# KiCad board 2x2RemotePanel.kicad_pcb (continued)
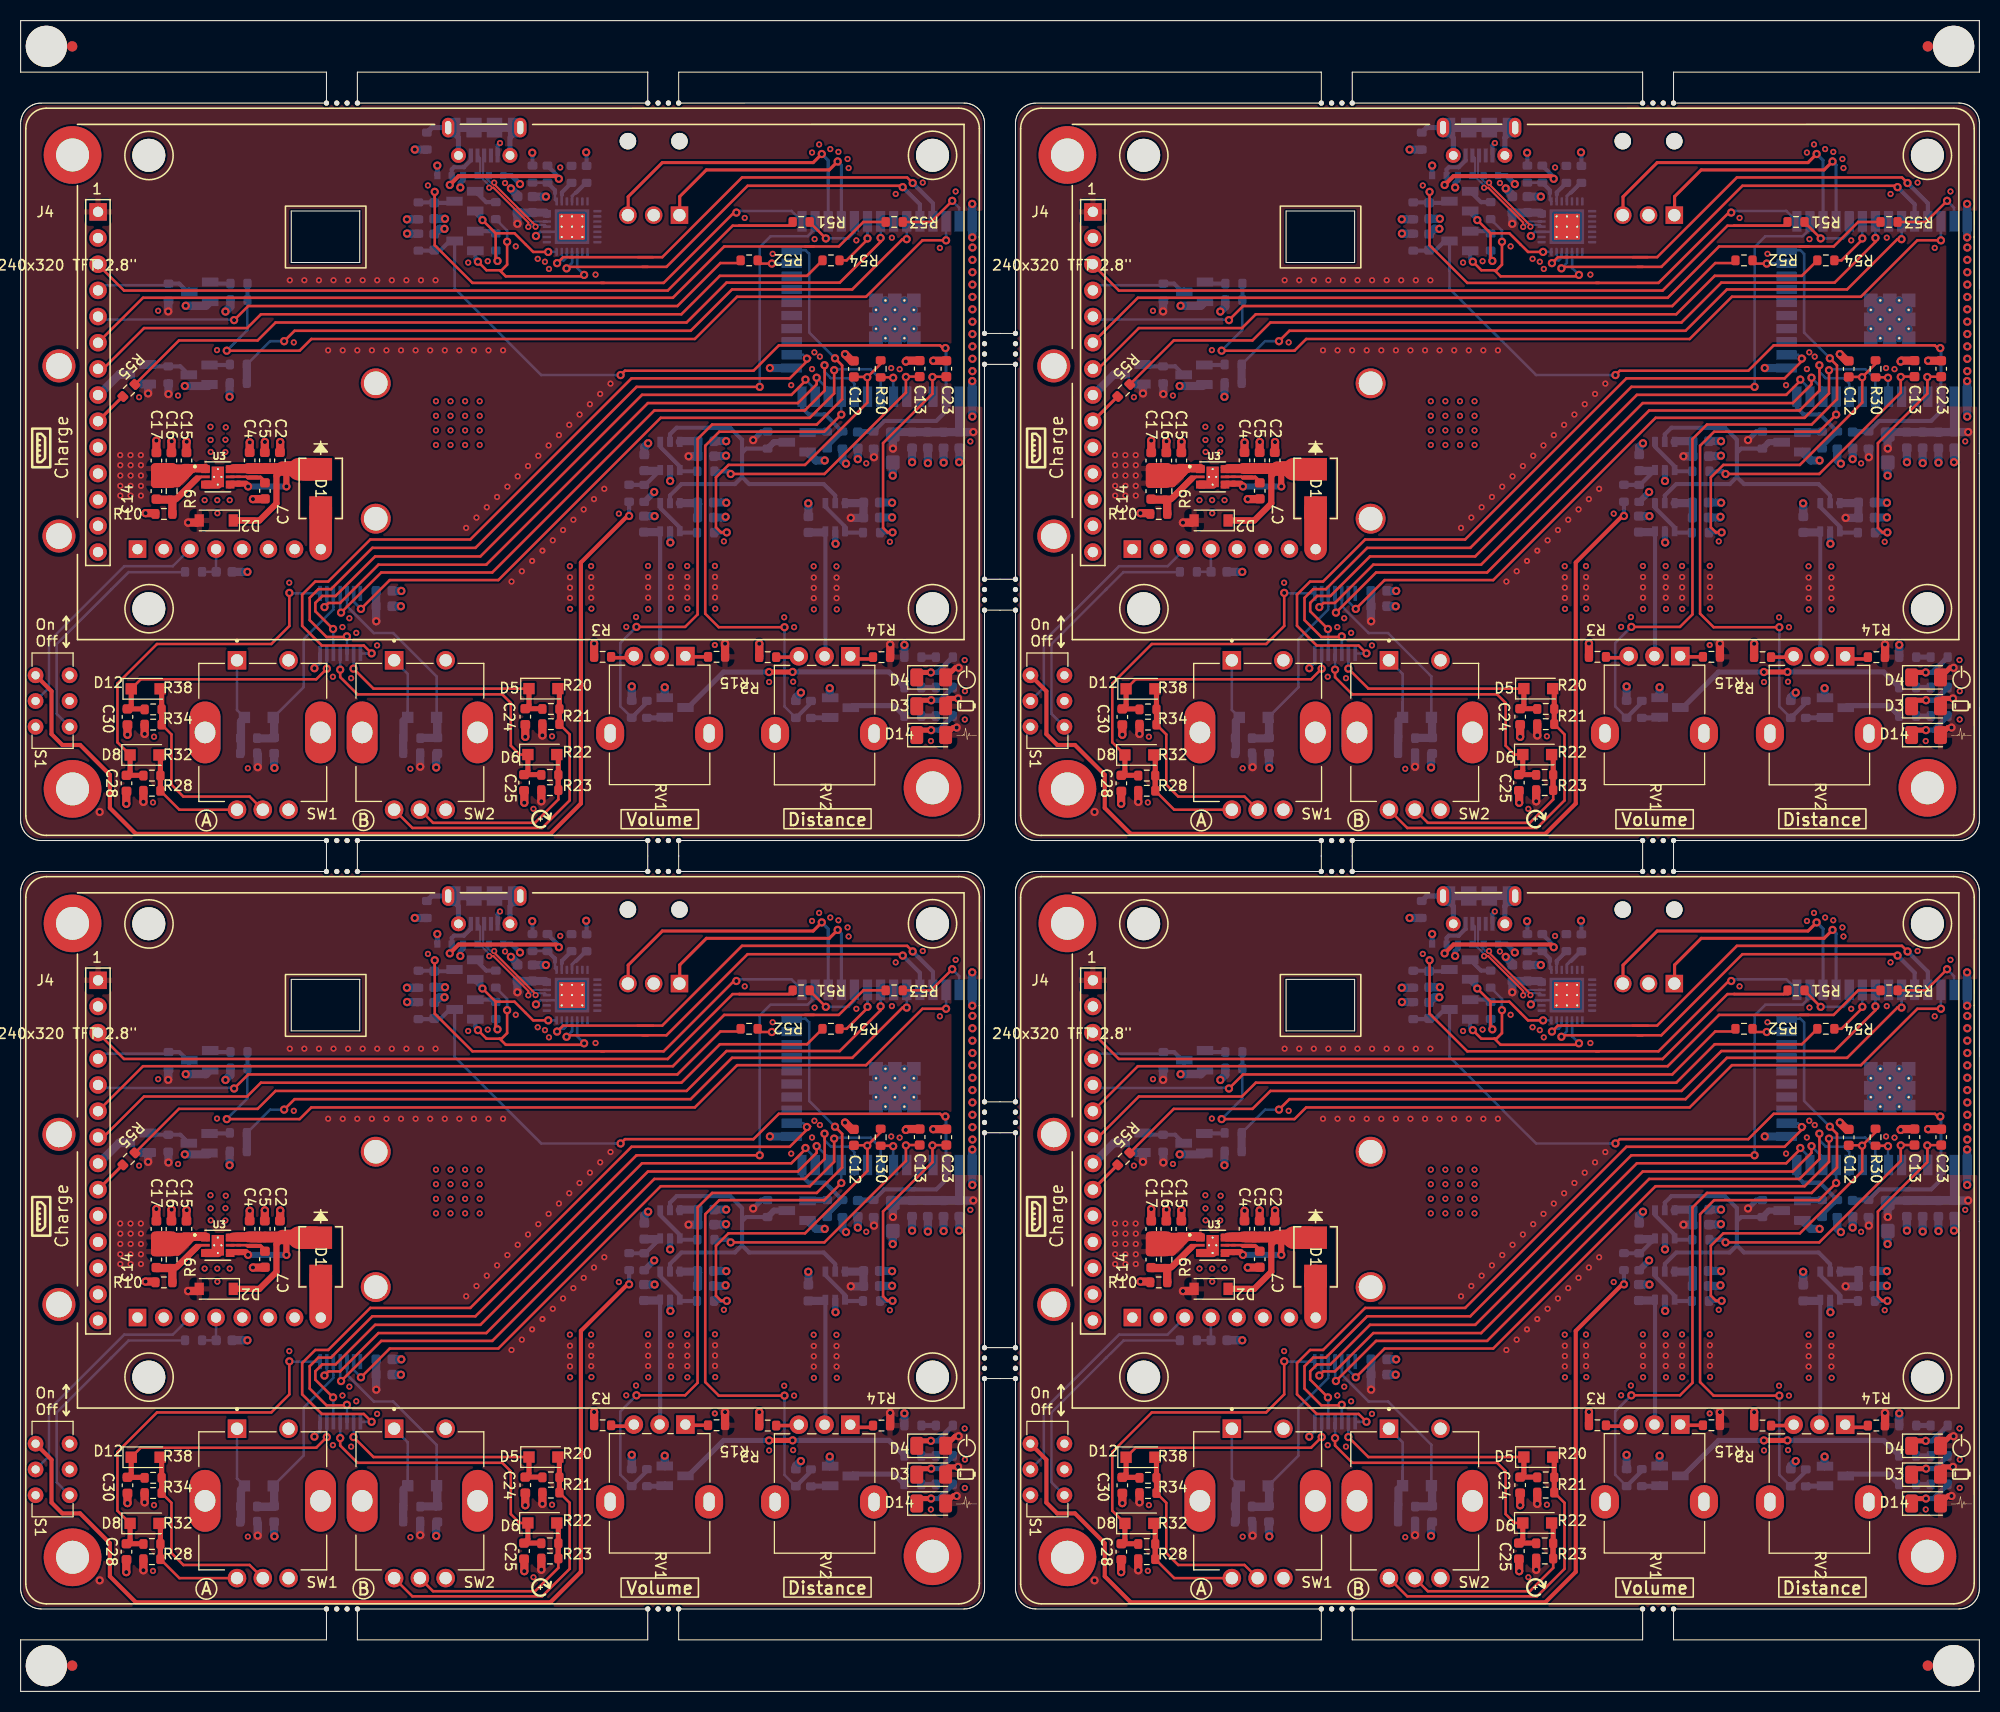
[diagram p0: board, top side]
## Routing (per net, layer and track width the routed paths; a pad name or vN(x,y) marks a point on that pad's centre or on a via; arc(x,y) is an arc through that point) (continued)
Board_3-+5V: length 4
  Top w0.25: 125.61,36.29 J1.8
  Top w2.2: D1#4.2 125.61,36.29
Board_3-/D+: length 10.5
  Top w0.2: v1(142.44,71.85) 142.44,71.7 146.45,67.69 v1(146.45,67.58)
  Bottom w0.2: J3.3 141.37,74.39 141.37,72.57 142.09,71.85 v1(142.44,71.85) ; v1(146.45,67.58) 146.63,67.76 147.36,67.76 U6#4.4
Board_3-/D-: length 11.4
  Top w0.2: v1(145.75,67.56) 145.75,67.98 142.37,71.36 v1(141.96,71.36)
  Bottom w0.2: U6#4.5 146.27,68.08 v1(145.75,67.56) ; D11#2.2 141,72.53 141.96,71.56 v1(141.96,71.36) ; J3.2 141.08,74.23 141.08,72.55 141.06,72.53
Board_3-ADC0: length 33.1
  Top w0.25: R30.1 179.93,54.27 v2(178.63,52.97) 178.6,53 ; 178.6,53 178.64,52.96 178.64,50.51 172.59,44.46 165.17,44.46 163.95,43.24 163.95,38.41 164.45,37.91 v2(165,37.91) 165.19,37.91 ; 178.6,53 C12#3.2
  Bottom w0.25: 164.98,37.89 v2(165,37.91) ; v2(178.63,52.97) 178.63,51.11 U7#4.9
  Bottom w0.4: R6#3.2 164.98,37.89
Board_3-ADC1: length 26.9
  Top w0.25: v2(182.38,52.99) 182.38,51.48 174.47,43.58 v2(165.39,43.58) ; v2(182.38,52.99) 182.37,53.01 ; v2(182.38,52.99) 182.42,53.03 C13#2.2
  Bottom w0.25: 165.34,43.53 v2(165.39,43.58) 165.39,43.6 ; U7#4.6 182.38,51.17 v2(182.38,52.99)
  Bottom w0.4: v2(165.39,43.58) 165.13,43.84 R7.2
Board_3-ADC2: length 22.2
  Top w0.25: v2(181.08,37.91) 180.6,37.91 180.16,38.35 180.16,46.58 184.95,51.37 v2(184.95,52.99) 184.98,53.02 C23.2
  Bottom w0.25: v2(184.95,52.99) 185,52.94 U7#4.4 ; 181.06,37.89 v2(181.08,37.91)
  Bottom w0.4: R16.2 181.06,37.89
Board_3-DTR: length 13.7
  Top w0.25: 142.58,66.94 144.41,66.94 146.22,65.13 v2(147.68,65.13) ; 142.58,66.94 142.58,64.43 v2(142.76,64.25) ; 142.58,66.94 v2(141.3,68.22)
  Bottom w0.25: v2(147.68,65.13) U6#4.28 ; 142.74,65.13 R45.1 ; Q5#2.2 140.61,68.91
  Bottom w0.4: 140.61,68.91 v2(141.3,68.22) ; v2(142.76,64.25) 142.6,64.41 R45.1
Board_3-EN_: length 79.9
  Top w0.25: v2(154.7,53.18) 155.12,53.6 167.59,53.6 170.05,56.06 185.69,56.06 186.18,55.57
  Top w0.3: v2(186.21,55.8) 186.18,55.77 186.18,55.57
  Bottom w0.25: 136.56,65.25 C35#2.2 ; v2(154.7,53.18) 147,53.18 138.61,61.57 Q6.3 138.13,66.19
  Bottom w0.3: v2(186.21,55.8) 186.27,55.74 U7#4.3 ; Q6.3 138.61,63.35
  Bottom w0.4: U7#4.3 186.27,49.67 185.33,48.73 182.88,48.73 ; C35#2.2 137.26,65.31 138.13,66.19 ; R48#2.2 136.56,65.25 ; 183.23,48.73 180.29,48.73 R26#2.2
  Bottom w0.5: 179.43,47.69 177.94,47.69
Board_3-Enc1A: length 72.7
  Top w0.25: v2(130.55,26.17) 129.79,26.93 125.72,26.93 123.81,28.84 123.81,31.87 125.08,33.14 126.34,33.14 130.42,37.22 140.12,37.22 155.76,52.86 171.11,52.86 173.08,54.83 172.83,54.83 v2(172.78,54.77)
  Bottom w0.25: U5#3.1 130.54,26.15 v2(130.55,26.17) ; v2(172.78,54.77) 172.41,55.14 U7#4.16
Board_3-Enc1A_: length 23.1
  Top w0.25: D5#3.1 130.73,22.75 v2(128.8,24.68)
  Top w0.5: R20#2.1 147.09,20.8 C24#4.1 145.82,21.16 D5#3.1
  Bottom w0.25: v2(128.8,24.68) 128.8,24.69 U5#3.2
Board_3-Enc1B: length 80.7
  Top w0.25: v2(128.15,27.82) 128.09,27.76 126.18,27.76 124.54,29.39 124.54,31.56 125.38,32.4 126.61,32.4 130.62,36.41 140.62,36.41 156.25,52.03 v2(168.2,52.03)
  Bottom w0.25: U7#4.26 173.57,67.37 172.85,66.64 169.24,66.64 168.2,65.6 v2(168.2,52.03) ; U5#3.3 128.16,27.8 v2(128.15,27.82)
Board_3-Enc1B_: length 29.8
  Top w0.25: D6#4.1 144.91,16.35 144.05,17.21 144.05,21.36 143.22,22.19 129.18,22.19 127.5,23.86 v2(127.5,24.59)
  Top w0.5: D6#4.1 145.71,14.77 C25#4.1 146.99,14.4 R22#4.1
  Bottom w0.25: v2(127.5,24.59) U5#3.4
Board_3-Enc2A: length 61.1
  Top w0.25: v2(173.72,52.92) 173.72,52.27 171.9,50.46 157.35,50.46 141.67,34.78 131.21,34.78 127.49,31.06 126.38,31.06 v2(125.98,30.65)
  Bottom w0.25: v2(125.98,30.65) 126.21,30.88 U5#3.9 ; U7#4.12 174.84,51.8 v2(173.72,52.92)
Board_3-Enc2A_: length 36.4
  Top w0.25: v2(122.57,32.04) 122.57,28.83 120.82,27.08 109.73,27.08 105.89,23.24 105.89,17.53 D8#4.1 ; 108.32,14.28 108.35,14.31
  Top w0.5: D8#4.1 107.12,14.68 C28#3.1 108.39,14.33 R28#4.1
  Bottom w0.25: v2(122.57,32.04) 122.61,32 U5#3.8
Board_3-Enc2B: length 64.3
  Top w0.25: v2(172.63,52.74) 172.63,52.62 171.27,51.26 156.78,51.26 141.1,35.58 130.89,35.58 127.05,31.74 125.76,31.74 125.09,31.07 125.09,30.25 v2(126.81,28.53)
  Bottom w0.25: v2(126.81,28.53) 126.84,28.5 U5#3.5 ; U7#4.13 173.57,51.8 v2(172.63,52.74)
Board_3-Enc2B_: length 26.9
  Top w0.25: v2(126.21,24.68) 125.18,23.65 108.16,23.65 D12#4.1
  Top w0.35: C30.1 106.89,20.75 108.47,20.75
  Top w0.5: C30.1 107.23,21.14 D12#4.1 ; C30.1 106.64,20.78 ; C30.1 108.48,20.78 R34.1
  Bottom w0.25: U5#3.6 v2(126.21,24.68)
Board_3-ESP32_RXD0: length 46.3
  Top w0.25: 156.38,64.62 158.74,64.62 166.48,72.36 182.5,72.36 v2(183.04,71.81) ; v2(148.54,64.04) 149.12,64.62 150.1,64.62 ; 157.84,64.62 149.71,64.62
  Bottom w0.25: v2(148.54,64.04) 148.82,64.31 149.2,64.31 149.49,64.61 U6#4.26
  Bottom w0.4: v2(183.04,71.81) 185,69.85 U7#4.35
Board_3-ESP32_TXD0: length 42.3
  Top w0.25: v2(182.07,71.41) 181.94,71.55 167.02,71.55 159.15,63.68 156.84,63.68 ; v2(149.46,63.53) 149.61,63.68 157.32,63.68
  Bottom w0.25: U6#4.25 149.99,64.06 v2(149.46,63.53)
  Bottom w0.4: U7#4.34 183.73,69.75 v2(182.07,71.41)
Board_3-GND: length 128.5
  Top w0.4: 114.21,42.67 114.21,42.44
  Top w0.8: C15.1 112.59,46.69 v2(112.61,46.71) ; v2(106.75,11.58) 106.75,12.76 C28#3.2 ; 168.16,25.73 v2(168.16,27.1) ; v2(111.15,46.76) 111.13,46.74 C16#2.1 ; 109.57,39.78 v2(108.62,39.78) ; C23.1 v2(185.03,54.57) ; 120.17,41.14 v2(119.04,41.14) ; 145.46,19.27 v2(145.46,18.07) ; v2(182.37,54.49) 182.46,54.58 C13#2.1 ; C17#2.1 v2(109.67,46.82) ; 152.13,25.75 v2(152.13,27.12) ; 145.36,12.77 v2(145.36,11.67) ; C30.2 v2(106.87,18.28) ; 121.68,45.64 v2(121.68,46.68) ; C12#3.1 177.13,54.55 v2(176.47,55.2) ; 115.67,42.55 114.41,42.55 ; C4.1 118.72,46.64 ; C5#3.1 120.19,46.68
  Bottom w0.25: U6#4.29 149.49,67.08 U6#4.3 146.9,67.08 v2(146.5,66.67) ; C6#3.1 157.36,45.45 ; R5#4.2 157.01,40.87 ; 136.62,68.33 136.53,68.33 ; 114.88,52.2 114.83,52.15
  Bottom w0.3: 114.93,52.15 114.88,52.2 ; v2(125,24.73) 125.55,25.27 U5#3.7 ; 116.8,52.2 116.75,52.15
  Bottom w0.4: v2(146.13,74.76) 146.16,74.73 R37#3.2 ; J3.5 142.77,75.46 v1(143,75.69) ; v2(151.36,74.8) 151.4,74.76 R41.2
  Bottom w0.5: D10#4.1 144.13,72.53 v2(144.94,71.71) ; D9#3.1 v2(136.92,73.51) ; D11#2.1 139.42,72.09 139.15,71.82 v2(139.15,71.38)
  Bottom w0.6: 175.53,38.06 175.53,36.82 ; 159.51,44.13 v2(159.51,42.9) ; 157.01,40.87 v2(157.97,41.83) ; 159.51,38.18 159.51,36.95
  Bottom w0.8: 188.82,50.89 v2(188.82,52.59) ; R27#2.1 v2(134.74,75.06) ; U7#4.39_12 U7#4.39_14 U7#4.39_13 182.23,57.67 ; C3#3.1 v2(158,39.49) ; 121.09,16.37 121.09,15.08 v2(121.13,15.05) ; C6#3.1 157,46.19 v2(157.37,46.56) ; 180.4,57.67 U7#4.39_7 ; 180.4,57.67 U7#4.39_8 ; 180.4,57.67 U7#4.39_15 182.23,57.67 ; v2(174.5,44.89) 173.66,44.89 Q2.2 172.94,45.61 ; C31#3.1 v2(147.46,70.5) ; U7#4.39_10 U7#4.39_20 ; v2(188.82,49.15) 188.82,51.08 ; v2(136.82,15.09) 136.82,16.4 136.86,16.44 ; v2(164.93,45.35) 164.9,45.32 163.71,45.32 ; v2(137.62,67.37) 137.13,67.37 C35#2.1 ; v2(133.99,66.91) 134,66.9 R48#2.1 ; Q4#3.2 114.49,59.9 v2(112.52,59.9) ; 159.51,36.95 v2(159.53,36.93) ; R13#3.2 v2(182.23,26.99) ; R47.2 v2(133.98,68.29) ; v2(172.19,22.36) 171.72,21.89 171.72,21.84 ; 114.7,52.12 v2(112.43,52.12) ; C9#3.2 164.93,40.81 v2(164.95,40.79) ; 174.99,21.84 v2(174.99,22.79) ; C29#4.1 144.7,70.65 v2(144.06,71.29) ; C38#2.2 v2(137.67,68.34) ; U7#4.39_11 183.11,59.55 182.91,59.55 182.87,59.5 U7#4.39_21 ; 179.78,39.35 181.02,39.35 v2(181.04,39.37) ; 172.92,39.4 172.92,40.71 v2(172.91,40.73) ; C34#2.1 186.03,44.69 ; 182.23,57.67 U7#4.39_1 ; 170.61,53.86 169.24,53.86 ; U7#4.39_5 U7#4.39_18 U7#4.39_19 U7#4.39_17 ; C8#4.2 164.82,39.35 v2(164.89,39.42) ; C36#4.1 184.5,44.64 ; 188.82,68.24 v2(188.82,66.54) ; U7#4.39_9 180.4,59.5 U7#4.39_16 182.23,59.5 U7#4.39_3 ; 179.78,40.81 181.02,40.81 v2(181.04,40.79) ; v2(116.77,51.07) 116.77,52.37 ; v2(155.79,22.95) 155.78,22.95 R12#4.2 ; C33#2.1 187.56,44.73 ; v2(116.37,59.34) 116.86,59.83 R42#2.2 ; U7#4.38 v2(188.81,69.79) ; 175.53,36.82 v2(175.55,36.8) ; v2(176.57,44.58) 176.22,44.93 176.22,46 ; 181.1,44.78 v2(181.1,43.42) ; C1#4.2 v2(118.5,34.08) ; 132.5,30.74 v2(133.39,30.74) ; Q1.2 v2(158.99,22.88) ; 163.71,46.78 164.92,46.78 v2(164.94,46.76) ; C26#3.1 v2(177.71,45.02) ; C22#2.2 v2(133.43,32.23) ; C37#2.1 182.97,44.72
  vias: v1(107.99,51.03) v1(109.34,11.7) v1(109.44,18.08) v1(109.84,59.42) v1(111.77,51.19) v1(114.35,41.04) v1(114.92,48.16) v1(114.93,46.88) v1(114.94,45.72) v1(115.55,55.6) v1(115.58,41.04) v1(115.59,39.77) v1(116.4,48.11) v1(116.37,46.9) v1(116.36,45.71) v1(116.78,41.04) v1(118.54,15.02) v1(122.56,33.03) v1(123,56.35) v1(126.79,23.9) v1(127.72,28.72) v1(128.39,29.58) v1(128.56,23.76) v1(129.06,28.16) v1(131.08,26.94) v1(134.31,14.97) v1(136.01,71.58) v1(136.79,50.64) v1(136.79,49.22) v1(136.79,47.81) v1(136.79,46.39) v1(138.21,50.64) v1(138.21,49.22) v1(138.21,47.81) v1(138.21,46.39) v1(139.62,50.64) v1(139.62,49.22) v1(139.62,47.81) v1(139.62,46.39) v1(139.92,64.09) v1(141.04,50.64) v1(141.04,49.22) v1(141.04,47.81) v1(141.04,46.39) v1(141.82,64.23) v1(143.49,71.81) v1(144.53,65.67) v1(146.25,11.08) v1(146.66,64.46) v1(147.36,64.18) v1(147.75,63.48) v1(148.05,18.12) v1(148.85,73.32) v1(149.78,34.63) v1(149.8,30.49) v1(151.84,34.64) v1(151.87,30.51) v1(152.27,62.93) v1(154.53,39.72) v1(155.25,28.74) v1(156.2,29.69) v1(157.36,34.65) v1(157.38,30.49) v1(159.57,34.64) v1(159.6,30.49) v1(161.16,34.65) v1(161.18,30.49) v1(163.85,34.66) v1(163.88,30.51) v1(164.72,37.04) v1(166.74,68.43) v1(169.11,23.39) v1(169.45,64.94) v1(170.57,29.67) v1(171.25,52.2) v1(171.44,23.42) v1(171.53,28.71) v1(173.28,74.77) v1(173.27,53.76) v1(173.43,34.62) v1(173.52,66.37) v1(173.5,55.38) v1(173.45,30.44) v1(173.96,75.56) v1(174.03,54.97) v1(175.04,75.11) v1(175.64,34.61) v1(175.67,30.44) v1(175.83,74.84) v1(176.72,74.15) v1(176.82,73.27) v1(177.57,66.25) v1(178.53,44.61) v1(180.82,37) v1(181.02,66.51) v1(180.95,53.86) v1(181.39,70.75) v1(181.77,53.75) v1(184.01,71.86) v1(184.8,17.66) v1(185.67,65.52) v1(187.2,71) v1(188.08,25.52) v1(188.1,22.5) v1(188.09,19.75) v1(188.63,46.74) v2(118.73,46.65) v2(120.2,46.69) v2(169.19,53.86) v2(182.98,44.72) v2(184.51,44.63) v2(186.04,44.68) v2(187.54,44.72) v2(188.83,65.56) v2(188.83,64.36) v2(188.83,63.16) v2(188.83,61.96) v2(188.83,60.76) v2(188.83,59.56) v2(188.83,58.36) v2(188.83,57.16) v2(188.83,55.96) v2(188.83,54.76) v2(188.83,53.56) v3(163.84,26.98)
Board_3-IO0: length 51.2
  Top w0.25: 152.81,62.12 158.88,62.12 165.7,68.95 v2(165.93,68.95) ; v2(136.67,70.96) 136.67,65.78 140.33,62.12 153.11,62.12
  Bottom w0.25: v2(165.93,68.95) 166.09,69.1 171.29,69.1 U7#4.25 172.3,68.72 ; 136.57,69.94 C38#2.1 136.62,70.91 v2(136.67,70.96) ; 138.43,69.89 Q5#2.3
  Bottom w0.4: R47.1 136.57,69.94 ; C38#2.1 138.43,69.89
Board_3-LB: length 52.2
  Top w0.25: v2(170.6,28.71) 164.22,28.71 162.91,30.02 162.91,46.31 164.28,47.68 174.45,47.68 v2(176.11,49.34)
  Bottom w0.25: 171.71,20.21 172.02,20.21 ; U7#4.11 v2(176.11,49.34) 176.08,49.34 ; R29#4.1 170.6,21.01 v2(170.6,28.71) ; 173.17,21.36 R31.1
  Bottom w0.4: 172.02,20.21 173.17,21.36
Board_3-MCU_HB: length 69.2
  Top w0.25: v2(175.5,54.8) 176.19,54.11 176.19,50.84 173.73,48.38 163.58,48.38 162.17,46.97 162.17,29.95 160.96,28.74 v2(156.24,28.74)
  Bottom w0.25: v2(175.5,54.8) 173,57.3 173,64.94 172.64,65.3 U7#4.24 170.99,65.62 ; R11#4.1 157.26,21.4 ; v2(156.24,28.74) 154.68,27.18 154.68,21.02 R12#4.1
  Bottom w0.4: 157.26,21.4 R12#4.1 155.96,19.74
Board_3-Net-(C1-Pad1): length 3.6
  Bottom w0.25: R1#2.1 C1#4.1 115.46,34.09 J1.4
Board_3-Net-(C3-Pad2): length 14.1
  Bottom w0.25: 158.54,25.45 158.49,25.4 ; U1#2.3 158.44,38.02 ; U1#2.3 158.56,38 ; U1#2.3 158.54,38.01 ; U1#2.3 158.52,37.99 ; U1#2.3 158.48,37.95
  Bottom w0.4: U1#2.3 158.54,25.45
  Bottom w0.8: 157.13,37.94 158.33,37.94
Board_3-Net-(C6-Pad2): length 5.9
  Bottom w0.25: 157.18,42.7 R5#4.1 ; 158.54,44.26 U2#4.3 ; 158.24,43.65 157.88,43.3 ; 155.54,42.52 R4#3.2
  Bottom w0.4: U2#4.3 157.1,42.52 R5#4.1 155.54,42.52
  Bottom w0.8: 157.06,43.89 158.26,43.89
Board_3-Net-(C7-Pad2): length 6.8
  Top w0.25: 119.98,43.1 119.87,43.21 ; 119.75,43.17 118.67,43.17 ; 118.43,43.28 118.54,43.17 119.62,43.17 ; 117.81,43.31 116.89,43.31 ; 119.88,43.2 119.77,43.31 ; 119.76,43.31 118.68,43.31 ; 120.02,43.06 119.91,43.17 ; 119.45,43.31 118.37,43.31 ; 118.4,43.31 117.48,43.31
Board_3-Net-(C14-Pad1): length 8.9
  Top w0.23: 113.63,42.9 113.97,43.25 ; 113.53,43.32 114.01,43.32
  Top w0.6: 111.6,41.14 113.42,42.95 ; 111.77,41.31 113.59,43.13 ; 111.13,41.14 111.16,41.14
  Top w0.8: R10#3.2 111.22,39.7 111.22,41.05 ; 109.67,41.09 111.08,41.09
Board_3-Net-(C18-Pad2): length 14.3
  Bottom w0.25: 174.46,37.9 U4#4.3 ; 174.49,25.67 174.49,25.38 174.57,25.47
  Bottom w0.4: U4#4.3 174.57,25.47
  Bottom w0.8: 173.17,37.91 174.37,37.91
Board_3-Net-(D3-Pad1): length 4.3
  Top w0.25: 184.01,21.62 D3.1
  Top w0.5: v2(184.83,21.62) 184.01,21.62
  Bottom w0.5: R8#4.1 185.69,21.62 v2(184.83,21.62)
Board_3-Net-(D4-Pad1): length 4.3
  Top w0.25: 183.91,24.32 D4#3.1
  Top w0.5: v2(184.8,24.32) 183.91,24.32
  Bottom w0.5: R58#3.1 185.45,24.32 v2(184.8,24.32)
Board_3-Net-(D5-Pad2): length 30.3
  Top w0.25: R21#2.2 149.76,18.3 149.76,11.9 147.09,9.22 134.51,9.22 SW2#4.A
  Top w0.35: 148.66,20.75 148.68,20.77 ; 148.68,19.3 148.66,19.27
  Top w0.5: R21#2.2 148.77,22.6 D5#3.2
Board_3-Net-(D6-Pad2): length 20.8
  Top w0.25: SW2#4.C 136.51,9.72 146.4,9.72 148.67,11.99 R23#2.2
  Top w0.35: 148.58,14.32 148.58,14.32 148.58,12.8
  Top w0.5: D6#4.2 148.67,16.19 R23#2.2
Board_3-Net-(D8-Pad2): length 13.3
  Top w0.25: R32#4.2 111.9,10.99 SW1#2.A
  Top w0.35: 110,12.78 110,14.31
  Top w0.5: D8#4.2 110.06,16.16 R32#4.2
Board_3-Net-(D12-Pad2): length 21.1
  Top w0.25: SW1#2.C 118.72,12.27 112.29,12.27 111.13,13.43 111.13,18.3 R38#4.2
  Top w0.35: 110.12,19.25 110.12,20.75
  Top w0.5: D12#4.2 110.18,22.58 R38#4.2
Board_3-Net-(D14-Pad1): length 4.3
  Top w0.25: 183.91,18.72 D14#3.1
  Top w0.5: v2(184.82,18.72) 183.91,18.72
  Bottom w0.5: v2(184.82,18.72) 185.56,18.72 R40.1
Board_3-Net-(J3-Pad6): length 28.7
  Bottom w0.5: J3.6 J3.6 ; J3.6 J3.6 ; J3.6 J3.6 143.97,76.19 J3.6 ; J3.6 136.4,77.19 R27#2.2 ; J3.6 J3.6 ; J3.6 138.97,76.19 J3.6
  Bottom w0.8: 139.84,77.19 142.34,77.19 140.44,77.19 ; 141.86,77.2 144.36,77.2 142.46,77.2 ; J3.6 J3.6 J3.6
Board_3-Net-(J4-Pad3): length 76.8
  Top w0.25: 166.21,67.69 166.22,67.67 171.45,67.67 171.46,67.69 ; 171.4,68.03 R51#2.2 171.03,67.67 165.57,67.67 159.27,61.38 106.53,61.38 104.01,63.9 J4#2.3 ; J4#2.3 104.14,63.81 ; J4#2.3 104.04,63.96
  Top w0.35: 104.14,63.81 104.23,63.89
Board_3-Net-(J4-Pad4): length 9.6
  Bottom w0.25: 110.7,61.9 104.52,61.9
  Bottom w0.3: 104.52,61.9 J4#2.4
  Bottom w0.4: R46.2 111.89,62.05 112.69,61.25 Q4#3.3
  Bottom w0.5: 110.7,61.9 R46.2 110.85,61.98
  Bottom w0.8: 112.85,61.28 Q4#3.3
Board_3-Net-(J4-Pad5): length 65
  Top w0.25: 117.18,58.36 117.21,58.39 v2(117.21,58.51) 118.58,59.88 160.21,59.88 164.38,64.05 166.09,64.05 R52#2.2
  Bottom w0.25: J4#2.5 104.3,58.57 117.16,58.57 v2(117.21,58.51)
Board_3-Net-(J4-Pad6): length 82.1
  Top w0.25: R53#4.2 178.25,68.04 175.87,65.66 172.58,65.66 ; J4#2.6 108.38,60.68 159.77,60.68 164.75,65.66 173.46,65.66
Board_3-Net-(J4-Pad7): length 75.2
  Top w0.25: J4#2.7 104.51,53.77 108.47,57.74 118.47,57.74 119.81,59.08 160.6,59.08 164.33,62.81 172.79,62.81 174.42,64.44 ; 104.4,53.77 104.06,53.77
Board_3-Net-(J4-Pad9): length 3.4
  Top w0.25: R55#4.2 106.41,51.1
  Top w0.3: 106.41,51.1 J4#2.9
Board_3-Net-(Q1-Pad1): length 1.8
  Bottom w0.25: 158.93,19.91 Q1.1
  Bottom w0.5: R11#4.2 158.93,19.91
  Bottom w0.8: 158.96,19.94 Q1.1
Board_3-Net-(Q1-Pad3): length 23.3
  Top w0.5: v2(171.39,24.36) 171.38,24.36 v2(169.1,24.36)
  Bottom w0.5: v2(171.39,24.36) 180.72,24.36 R57#2.2 ; Q1.3 161.25,20.92 164.69,24.36 v2(169.1,24.36)
Board_3-Net-(Q2-Pad1): length 1.9
  Bottom w0.25: 172.92,47.69 Q2.1
  Bottom w0.6: R18#3.2 172.92,47.69
Board_3-Net-(Q3-Pad1): length 2.1
  Bottom w0.25: R31.2 173.44,20.18 ; 174.8,20.18 Q3#2.1
  Bottom w0.5: 173.28,19.92 174.64,19.92
Board_3-Net-(Q3-Pad3): length 5.7
  Bottom w0.5: R59#2.2 181.21,21.1 177.24,21.1 Q3#2.3
Board_3-Net-(Q4-Pad1): length 2
  Bottom w0.25: 115.04,62.05 Q4#3.1
  Bottom w0.4: R43.2 115.04,62.05
Board_3-Net-(Q5-Pad1): length 2.4
  Bottom w0.4: R44#2.2 141.66,69.95 Q5#2.1
Board_3-Net-(Q6-Pad1): length 2.1
  Bottom w0.25: 142.38,67.14 R45.2
  Bottom w0.4: Q6.1 142.38,67.14
Board_3-Net-(Q7-Pad1): length 1.8
  Bottom w0.4: 116.75,54.15 114.93,54.15
Board_3-Net-(Q7-Pad3): length 4.2
  Bottom w0.4: 109,54.03 111.99,54.03 Q7#2.3
Board_3-Net-(R1-Pad2): length 24.5
  Bottom w0.25: 105.35,32.43 106.98,34.05 112.43,34.05 R1#2.2 ; 105.35,32.43 100,27.08 100,20.29 S1#2.6 ; 105.35,32.43 105.25,32.33 ; 101.25,19.33 101.25,18.85
Board_3-Net-(R2-Pad2): length 2.4
  Top w0.35: 160.99,25.4 161.42,25.83 R2#3.2
Board_3-Net-(R3-Pad1): length 2.3
  Top w0.35: 155.99,25.4 155.65,25.74 153.87,25.74
Board_3-Net-(R4-Pad1): length 96.1
  Top w0.25: v2(155.53,39.5) 155.37,39.5
  Top w0.4: 155.37,39.5 150.85,34.99 150.85,11.6 147.9,8.65 107.68,8.65 105.16,11.17 105.16,14.39 102.27,17.28 100.55,17.28 99.5,18.33 99.5,22.49 S1#2.1
  Bottom w0.4: R4#3.1 v2(155.53,39.5)
Board_3-Net-(R6-Pad1): length 5.2
  Bottom w0.25: 160.44,38.4 U1#2.1 160.57,37.89 ; U1#2.4 158.54,40.3
  Bottom w0.4: 158.54,40.3 160.44,38.4 ; R6#3.1 160.57,37.89
Board_3-Net-(R7-Pad1): length 5.3
  Bottom w0.25: 160.44,44.32 U2#4.1 160.57,43.84 ; U2#4.4 158.54,46.22
  Bottom w0.4: R7.1 160.57,43.84 ; 158.54,46.22 160.44,44.32
Board_3-Net-(R13-Pad1): length 1.4
  Bottom w0.5: R13#3.1 R58#3.2
Board_3-Net-(R14-Pad2): length 2.4
  Top w0.35: R14.2 179.01,25.63 177.23,25.63 176.99,25.38
Board_3-Net-(R15-Pad1): length 2.4
  Top w0.35: 171.99,25.38 171.57,25.8 R15#2.1
Board_3-Net-(R16-Pad1): length 5.3
  Bottom w0.25: U4#4.4 174.57,40.38 ; 176.47,38.48 U4#4.1 176.6,37.89
  Bottom w0.4: 174.57,40.38 176.47,38.48 ; R16.1 176.6,37.89
Board_3-Net-(R30-Pad2): length 3.1
  Top w0.25: R30.2 181.1,52.96 v2(181.14,52.92)
  Bottom w0.25: v2(181.14,52.92) 181.14,51.14 U7#4.7
Board_3-Net-(R35-Pad1): length 3.6
  Bottom w0.25: U6#4.8 148.34,70.18 148.34,70.81 ; R37#3.1 R35#4.1
  Bottom w0.4: R35#4.1 148.34,71.12 148.34,70.81
Board_3-Net-(R39-Pad2): length 2.3
  Bottom w0.25: R39.2 149.86,71.76 ; 149.01,70.67 148.99,70.65 U6#4.9
  Bottom w0.4: 149.01,70.67 149.01,70.91 R39.2
Board_3-Net-(R40-Pad2): length 1.4
  Bottom w0.5: R59#2.1 R40.2
Board_3-Net-(R41-Pad1): length 2.5
  Bottom w0.25: R41.1 151.3,71.83 ; U6#4.11 149.99,70.54 ; 150.38,70.88 150.33,70.88
  Bottom w0.3: 150.33,70.88 149.99,70.54
  Bottom w0.4: 150.38,70.88 151.33,71.83 151.3,71.83
Board_3-Net-(R57-Pad1): length 1.4
  Bottom w0.5: R57#2.1 R8#4.2
Board_3-OA_LP: length 8.2
  Bottom w0.25: R18#3.1 174.74,46.21
  Bottom w0.4: 174.74,46.21 R19#4.1 174.54,49.37 172.94,49.37 172.3,50.01 U7#4.14
Board_3-PD#: length 38.6
  Bottom w0.25: 166.48,43.29 166.48,44.37 ; 166.49,46.9 166.49,45.64 ; 166.22,47.17 166.48,46.91
  Bottom w0.4: 166.48,46.91 166.48,43.29 ; 166.48,43.29 165.79,42.6 160.6,42.6 159.49,41.48 U1#2.5 ; 166.48,43.29 167.17,42.6 174.41,42.6 175.52,41.48 U4#4.5 ; R17#4.2 166.89,46.04 166.49,45.64 ; 166.49,46.9 165.32,48.07 160.13,48.07 159.49,47.43 U2#4.5
  Bottom w0.6: Q2.3 169.58,46.66 R17#4.2
Board_3-RTS: length 20.4
  Top w0.25: v2(140.87,64.18) 141.7,63.35 142.97,63.35 ; 142.97,63.35 143.15,63.35 143.7,63.89 v2(143.7,66.11) ; 142.97,63.35 143.56,62.76 151.02,62.76 v2(151.17,62.9)
  Bottom w0.25: U6#4.24 150.49,63.57 v2(151.17,62.9) ; R44#2.1 143.7,67.2 v2(143.7,66.11)
  Bottom w0.4: v2(140.87,64.18) 140.62,64.42 Q6.2
Board_3-RX2: length 24
  Top w0.3: 160.44,69.18 160.44,70.5 163.02,73.09 174.94,73.09 v2(175.76,73.91)
  Bottom w0.3: U7#4.28 176.11,73.55 v2(175.76,73.91)
Board_3-Sel1: length 65.3
  Top w0.25: v2(129.51,30.48) 132.31,33.28 142.84,33.28 158.59,49.03 173.05,49.03 175.42,51.39 v2(175.42,53.65)
  Bottom w0.25: v2(129.51,30.48) 128.8,31.19 U5#3.13 ; U7#4.8 179.92,52.77 178.95,53.75 175.52,53.75 v2(175.42,53.65)
Board_3-Sel1_: length 12.1
  Bottom w0.25: 134.05,21.46 D7#3.2 134.05,24.18 SW2#4.1
  Bottom w0.35: R24#4.2 133.62,17.92 R25#4.1
  Bottom w0.8: 133.62,16.54 133.62,18.01 ; 133.64,18.06 133.64,19.61
Board_3-Sel1_Filt: length 19.8
  Bottom w0.25: D7#3.1 136.85,23.93 132.64,28.14 130.76,28.14 128.16,30.73 U5#3.12
  Bottom w0.8: 136.92,19.69 136.92,18.14 ; 136.86,17.99 136.83,17.96 135.39,17.96
Board_3-Sel2: length 66.4
  Top w0.25: v2(174.49,54.13) 174.5,54.12 174.5,51.67 172.56,49.74 157.97,49.74 142.25,34.02 131.48,34.02 v2(127.59,30.12)
  Bottom w0.25: v2(127.59,30.12) 127.5,30.21 U5#3.11 ; v2(174.49,54.13) 174.49,53.48 175.1,52.87 176.85,52.87 177.38,52.34 U7#4.10 177.38,50.16
Board_3-Sel2_: length 10.4
  Bottom w0.25: SW1#2.1 117.49,20.67 D13#3.2
  Bottom w0.35: 117.85,16.42 117.85,17.93 117.87,17.95
  Bottom w0.8: 117.88,16.45 117.88,17.92 ; 117.88,18.02 117.88,19.57
Board_3-Sel2_Filt: length 17.6
  Bottom w0.25: D13#3.1 123.95,22.88 123.95,27.54 126.84,30.43 126.84,30.7 126.84,30.7 U5#3.10
  Bottom w0.8: 119.55,17.92 121.1,17.92 ; 121.1,19.65 121.1,18.1
Board_3-TFT_CS~: length 6.3
  Top w0.25: R51#2.1 173.05,68 v2(174.61,66.44)
  Bottom w0.25: v2(174.61,66.44) 176.81,66.44 177.38,67.01 U7#4.29
Board_3-TFT_DC: length 3.4
  Top w0.25: R52#2.1 168.31,63.99 v2(169.38,63.99)
  Bottom w0.25: U7#4.23 169.42,64.03 v2(169.38,63.99)
Board_3-TFT_LED: length 3.6
  Bottom w0.8: Q8#4.3 106.08,53.25 104.06,51.24
Board_3-TFT_MISO: length 80
  Top w0.25: v2(179.92,66.49) 179.92,66.11 175.96,62.15 164.97,62.15 161.1,58.28 121.23,58.28 119.49,56.54 111.86,56.54 R55#4.1
  Bottom w0.25: U7#4.31 v2(179.92,66.49)
Board_3-TFT_MOSI: length 7.9
  Top w0.25: R53#4.1 184.82,68.04 v2(186.87,70.09)
  Bottom w0.25: v2(186.87,70.09) 187.54,69.42 U7#4.37
Board_3-TFT_ON/PWM_BL_CTRL: length 74.6
  Top w0.25: v2(182.46,66.36) 182.05,66.36 177.17,61.49 165.51,61.49 161.5,57.48 123.08,57.48 v2(122.07,56.46)
  Bottom w0.25: v2(122.07,56.46) 120.71,56.46 R50.1 ; v2(182.46,66.36) 182.46,66.37 U7#4.33
  Bottom w0.35: 118.45,52.2 R50.1
  Bottom w0.8: R50.1 R49#2.1
Board_3-TFT_RST: length 83.4
  Top w0.25: v2(116.5,55.54) 123.57,55.54 124.7,56.68 161.9,56.68 166,60.78 178.51,60.78 183.99,66.25 v2(186.28,66.25) 186.27,66.25
  Bottom w0.25: v2(186.28,66.25) 186.27,66.25 U7#4.36 ; v2(116.5,55.54) 118.51,57.55 R42#2.1
  Bottom w0.4: R42#2.1 R43.1
Board_3-TFT_SCK: length 5.3
  Top w0.25: v2(178.65,66.44) 178.65,66.33 176.63,64.31 R54#3.1
  Bottom w0.25: U7#4.30 v2(178.65,66.44)
Board_3-TX2: length 28.6
  Top w0.3: 155.44,69.18 155.44,70.48 158.75,73.8 173.38,73.8 v2(174.22,74.63)
  Bottom w0.3: v2(174.22,74.63) 174.84,74.01 U7#4.27
Board_3-VBAT: length 24.2
  Top w0.25: 98.4,21.58 97.95,21.58
  Bottom w0.25: J1.3 111.26,34.63 106.55,34.63 99.25,27.33 99.25,22.84 S1#2.2
Board_3-VBUS: length 17.4
  Top w0.4: v2(148.72,72.22) 148.45,72.49 138.99,72.49 v2(138.13,71.63)
  Bottom w0.25: J3.1 140.17,74.02 ; 138.27,73.08 138.54,73.35
  Bottom w0.4: R35#4.2 148.72,72.39 v2(148.72,72.22) ; 140.17,74.02 139.5,73.35 138.54,73.35 138.32,73.13 138.32,71.82 v2(138.13,71.63)

## Copper pours and planes (outline as drawn; the poured copper is in the pictures)
Board_0-+3V3 on Top, Bottom: 95.2,81.02 -1.31,81.48 -1.41,155.08 94.94,155.69
Board_0-GND on In1.Cu, In2.Cu: -1.51,154.82 95.5,155.04 95.49,81.33 -1.03,81.36
Board_1-+3V3 on Top, Bottom: 191.7,81.02 95.19,81.48 95.09,155.08 191.45,155.69
Board_1-GND on In1.Cu, In2.Cu: 94.99,154.82 192.01,155.04 191.99,81.33 95.48,81.36
Board_2-+3V3 on Top, Bottom: 95.2,6.44 -1.31,6.91 -1.41,80.5 94.94,81.11
Board_2-GND on In1.Cu, In2.Cu: -1.51,80.25 95.5,80.47 95.49,6.75 -1.03,6.78
Board_3-+3V3 on Top, Bottom: 191.7,6.44 95.19,6.91 95.09,80.5 191.45,81.11
Board_3-GND on In1.Cu, In2.Cu: 94.99,80.25 192.01,80.47 191.99,6.75 95.48,6.78

## Text on the board
B.Silkscreen: * | ICSP | UART | Ultrasonic Sound Steering - Remote Module / Rev A. / By Kevin Harper
F.Silkscreen: + | On / Off | Charge | A | B | Volume | Distance
